# KiCad board neotron-pico.kicad_pcb
title: Neotron Pico PCB; date: ${date}; rev: ${version}; company: https://neotron-compute.github.io; note: Copyright (c) Jonathan 'theJPster' Pallant 2022; note: Licensed as CC-BY-SA
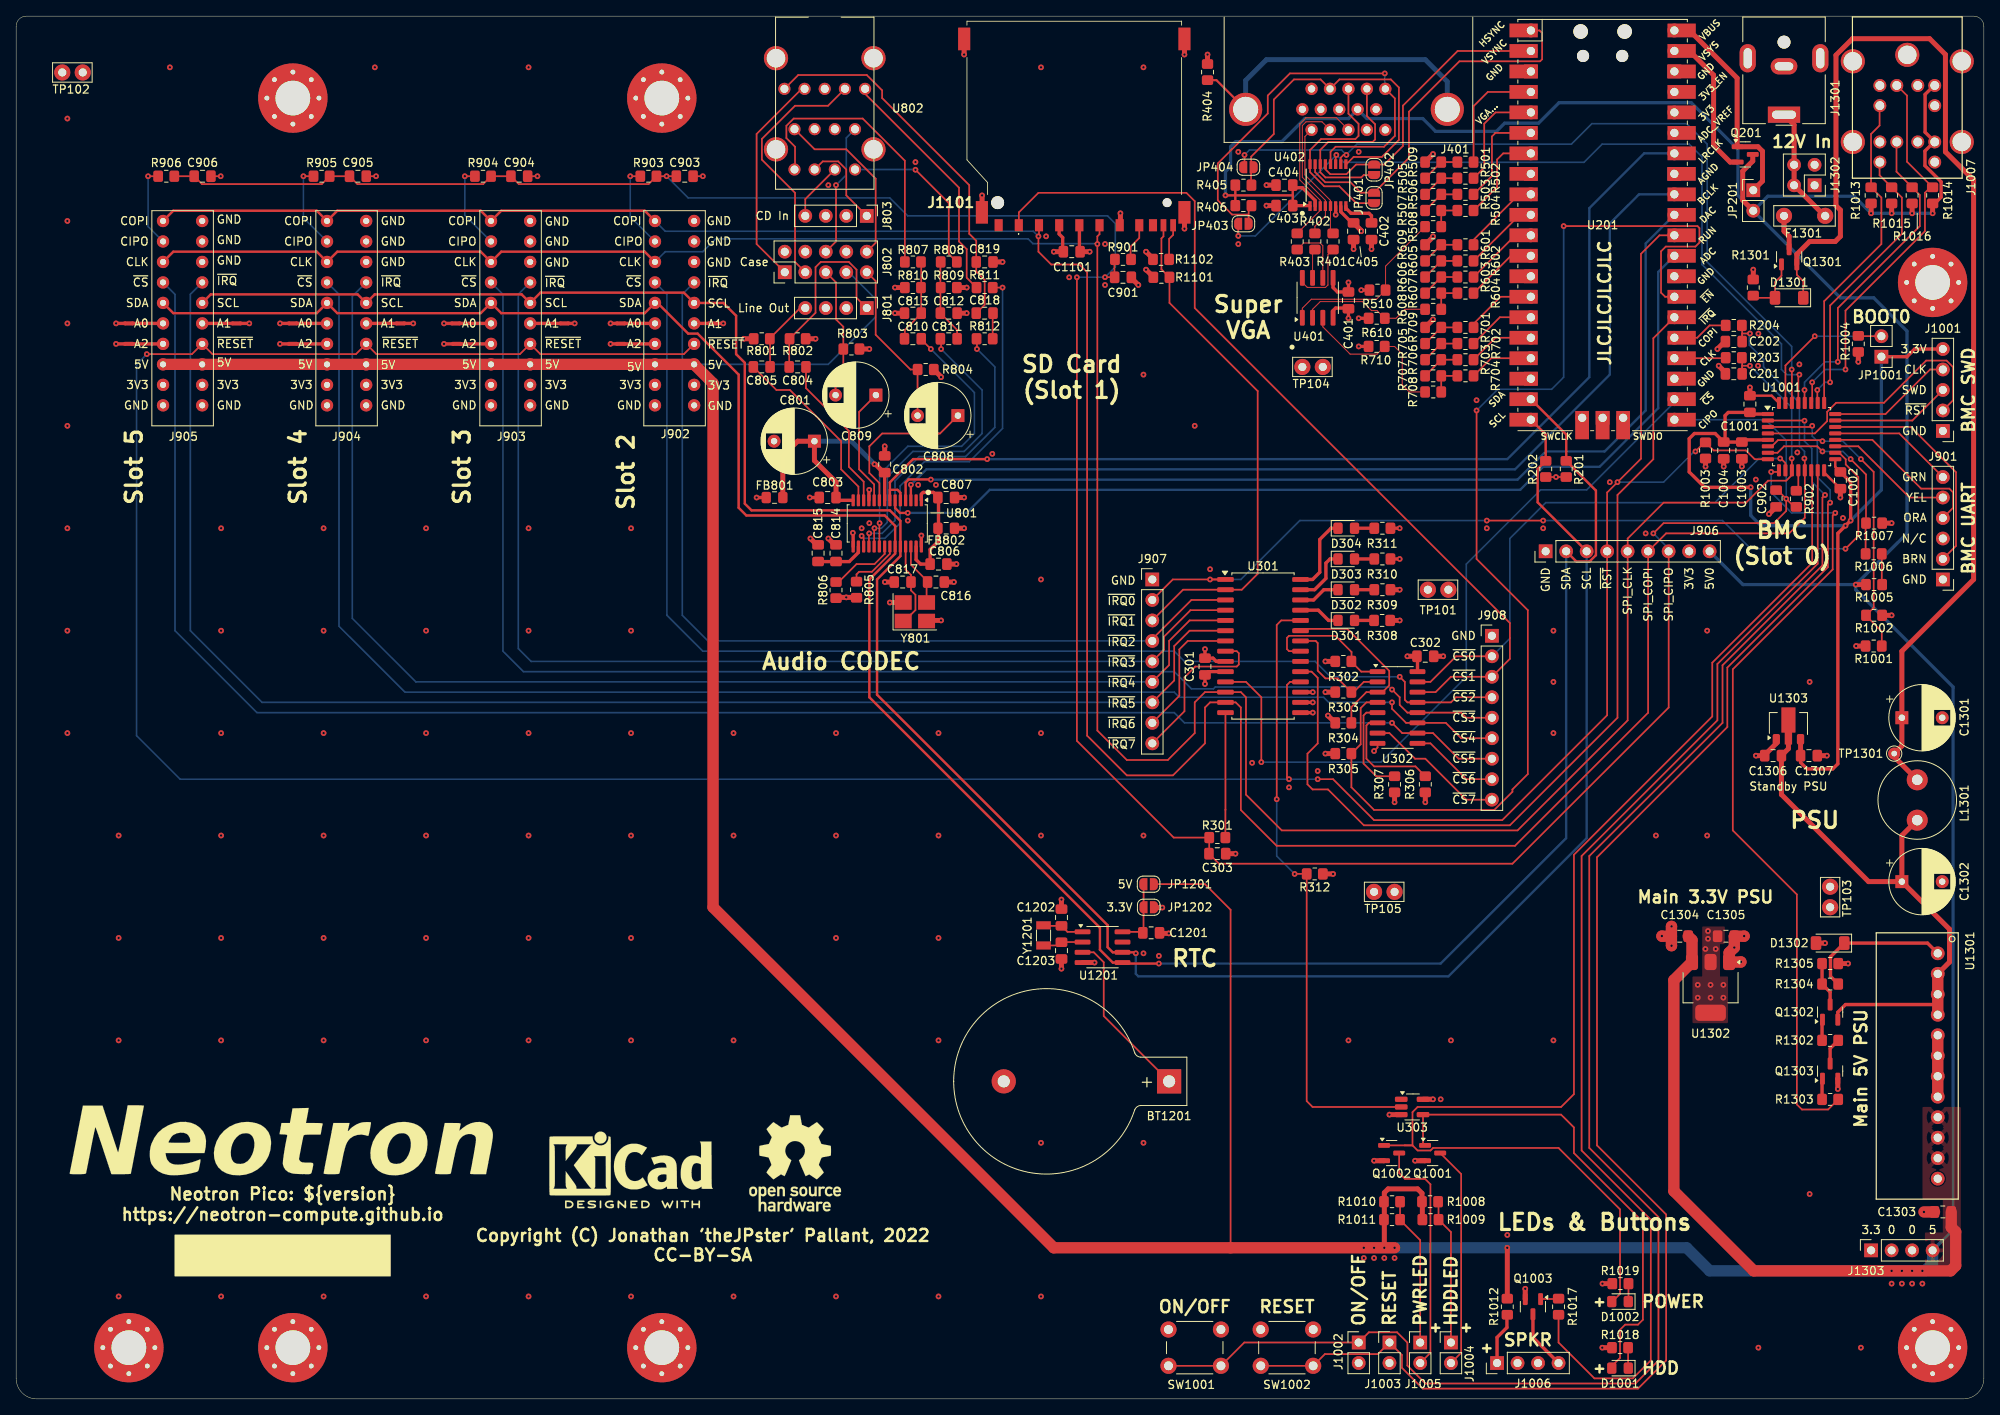
[diagram p0: board, top side]
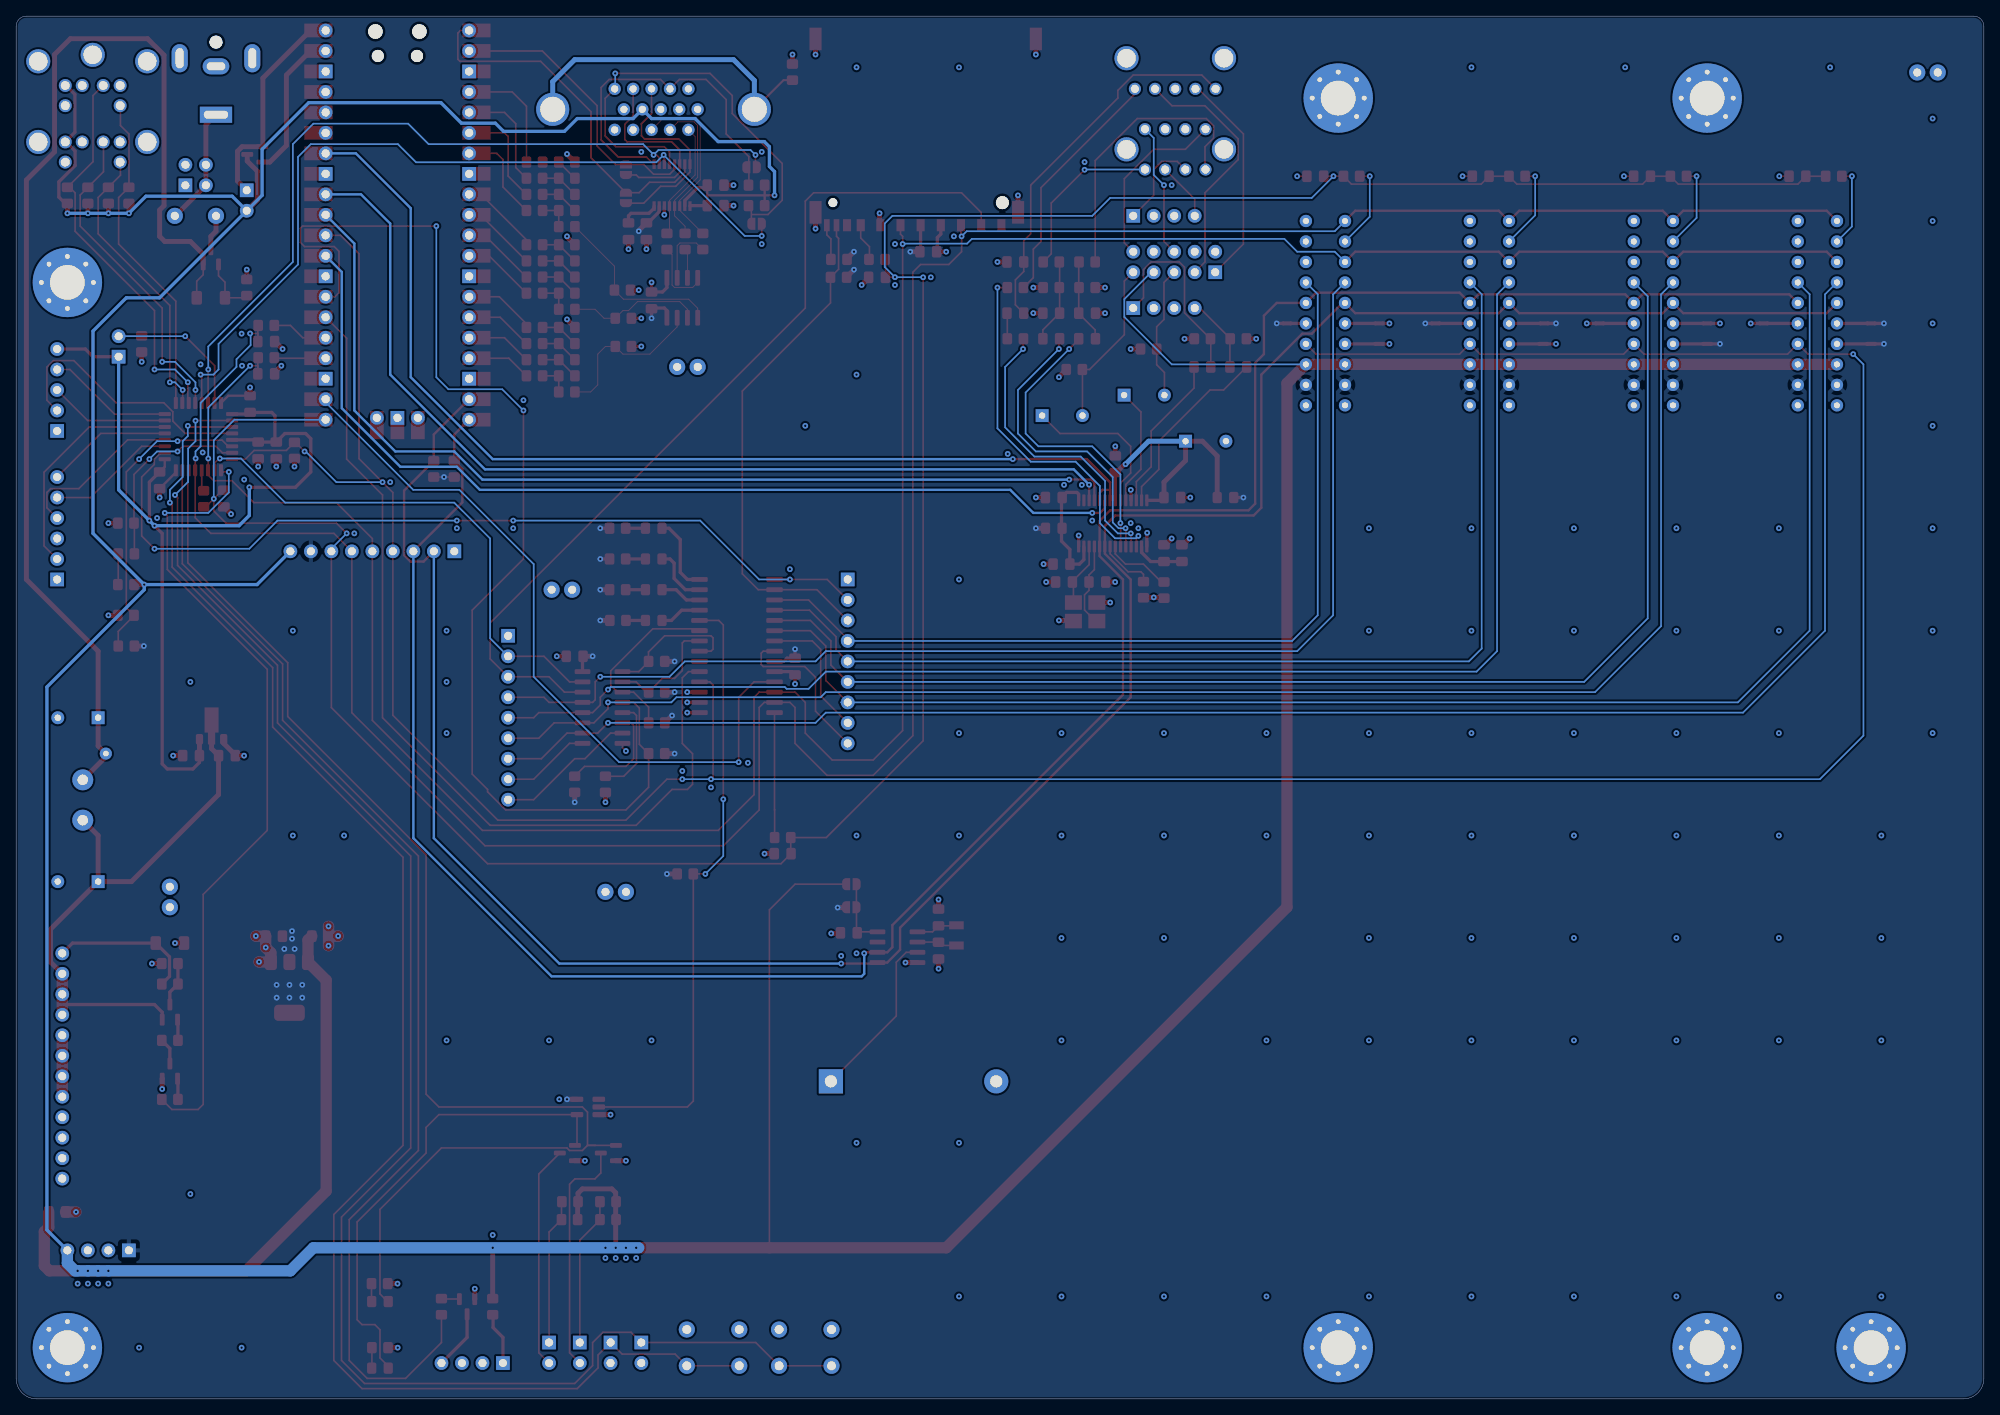
[diagram p1: board, bottom side, seen from below]

Outline 243.84 x 171.45 mm; copper layers: Top, In1.Cu (plane), In2.Cu (plane), Bottom. Coordinates in mm from the lower left corner of the outline.
Outline path: 0,170.18 0,2.54 arc(0.74,0.74) 2.54,0 241.3,0 arc(243.1,0.74) 243.84,2.54 243.84,170.18 arc(243.47,171.08) 242.57,171.45 1.27,171.45 arc(0.37,171.08) 0,170.18
Stack: Top 0.035mm / dielectric 0.2104mm FR4 er 4.6 / In1.Cu 0.0152mm / dielectric 1.065mm FR4 er 4.6 / In2.Cu 0.0152mm / dielectric 0.2104mm FR4 er 4.6 / Bottom 0.035mm

## Placement (name value [footprint] x y rotation side)
BT1201  CR2032  [BatteryHolder_Keystone_103_1x20mm]  142.88 39.37 180 top
C201  DNF  [C_0805_2012Metric_Pad1.18x1.45mm_HandSolder]  212.85 127.1 180 top
C202  DNF  [C_0805_2012Metric_Pad1.18x1.45mm_HandSolder]  212.85 131.1 180 top
C301  10u  [C_0805_2012Metric_Pad1.18x1.45mm_HandSolder]  147.32 90.8 270 top
C302  10u  [C_0805_2012Metric_Pad1.18x1.45mm_HandSolder]  174.62 92.07 0 top
C303  DNF  [C_0805_2012Metric_Pad1.18x1.45mm_HandSolder]  148.85 67.6 0 top
C401  10u  [C_0805_2012Metric_Pad1.18x1.45mm_HandSolder]  165.1 136.21 90 top
C402  220n  [C_0805_2012Metric_Pad1.18x1.45mm_HandSolder]  167.96 144.78 90 top
C403  10u  [C_0805_2012Metric_Pad1.18x1.45mm_HandSolder]  157.16 147.95 0 top
C404  10u  [C_0805_2012Metric_Pad1.18x1.45mm_HandSolder]  157.16 150.5 0 top
C405  10u  [C_0805_2012Metric_Pad1.18x1.45mm_HandSolder]  165.73 144.78 90 top
C801  100u  [CP_Radial_D8.0mm_P5.00mm]  98.92 118.74 180 top
C802  10u  [C_0805_2012Metric_Pad1.18x1.45mm_HandSolder]  107.63 115.89 90 top
C803  10u  [C_0805_2012Metric_Pad1.18x1.45mm_HandSolder]  100.56 111.76 180 top
C804  1u  [C_0805_2012Metric_Pad1.18x1.45mm_HandSolder]  96.84 127.95 180 top
C805  1u  [C_0805_2012Metric_Pad1.18x1.45mm_HandSolder]  92.39 127.95 180 top
C806  10u  [C_0805_2012Metric_Pad1.18x1.45mm_HandSolder]  114.3 103.5 0 top
C807  10u  [C_0805_2012Metric_Pad1.18x1.45mm_HandSolder]  115.25 111.76 0 top
C808  100u  [CP_Radial_D8.0mm_P5.00mm]  116.7 121.92 180 top
C809  100u  [CP_Radial_D8.0mm_P5.00mm]  106.54 124.46 180 top
C810  1u  [C_0805_2012Metric_Pad1.18x1.45mm_HandSolder]  111.12 131.44 0 top
C811  1u  [C_0805_2012Metric_Pad1.18x1.45mm_HandSolder]  115.57 131.44 180 top
C812  47p  [C_0805_2012Metric_Pad1.18x1.45mm_HandSolder]  115.57 134.62 180 top
C813  47p  [C_0805_2012Metric_Pad1.18x1.45mm_HandSolder]  111.12 134.62 0 top
C814  100n  [C_0805_2012Metric_Pad1.18x1.45mm_HandSolder]  101.6 104.86 90 top
C815  10u  [C_0805_2012Metric_Pad1.18x1.45mm_HandSolder]  99.38 104.86 90 top
C816  22p  [C_0805_2012Metric_Pad1.18x1.45mm_HandSolder]  113.98 101.28 180 top
C817  22p  [C_0805_2012Metric_Pad1.18x1.45mm_HandSolder]  109.85 101.28 180 top
C818  1u  [C_0805_2012Metric_Pad1.18x1.45mm_HandSolder]  120.01 134.62 0 top
C819  47p  [C_0805_2012Metric_Pad1.18x1.45mm_HandSolder]  120.01 140.97 180 top
C901  DNF  [C_0805_2012Metric_Pad1.18x1.45mm_HandSolder]  137.16 139.06 0 top
C902  DNF  [C_0805_2012Metric_Pad1.18x1.45mm_HandSolder]  218.1 111.64 270 top
C903  DNF  [C_0805_2012Metric_Pad1.18x1.45mm_HandSolder]  82.85 151.6 0 top
C904  DNF  [C_0805_2012Metric_Pad1.18x1.45mm_HandSolder]  62.35 151.6 0 top
C905  DNF  [C_0805_2012Metric_Pad1.18x1.45mm_HandSolder]  42.35 151.6 0 top
C906  DNF  [C_0805_2012Metric_Pad1.18x1.45mm_HandSolder]  23.1 151.6 0 top
C1001  10u  [C_0805_2012Metric_Pad1.18x1.45mm_HandSolder]  214.85 123.35 270 top
C1002  10u  [C_0805_2012Metric_Pad1.18x1.45mm_HandSolder]  226.06 113.9 90 top
C1003  10n  [C_0805_2012Metric_Pad1.18x1.45mm_HandSolder]  213.85 117.6 270 top
C1004  10u  [C_0805_2012Metric_Pad1.18x1.45mm_HandSolder]  211.6 117.6 90 top
C1101  10u  [C_0805_2012Metric_Pad1.18x1.45mm_HandSolder]  130.81 142.24 0 top
C1201  10u  [C_0805_2012Metric_Pad1.18x1.45mm_HandSolder]  140.65 57.78 180 top
C1202  DNF  [C_0805_2012Metric_Pad1.18x1.45mm_HandSolder]  129.54 59.69 90 top
C1203  DNF  [C_0805_2012Metric_Pad1.18x1.45mm_HandSolder]  129.54 55.58 270 top
C1301  100u  [CP_Radial_D8.0mm_P5.00mm]  233.68 84.45 0 top
C1302  100u  [CP_Radial_D8.0mm_P5.00mm]  233.68 64.13 0 top
C1303  22u  [C_0805_2012Metric_Pad1.18x1.45mm_HandSolder]  238.76 23.18 180 top
C1304  22u  [C_0805_2012Metric_Pad1.18x1.45mm_HandSolder]  206.16 57.37 180 top
C1305  22u  [C_0805_2012Metric_Pad1.18x1.45mm_HandSolder]  211.88 57.37 0 top
C1306  10u  [C_0805_2012Metric_Pad1.18x1.45mm_HandSolder]  217.72 79.75 0 top
C1307  10u  [C_0805_2012Metric_Pad1.18x1.45mm_HandSolder]  222.16 79.75 180 top
D301  LED  [LED_0805_2012Metric_Pad1.15x1.40mm_HandSolder]  164.83 96.52 0 top
D302  LED  [LED_0805_2012Metric_Pad1.15x1.40mm_HandSolder]  164.83 100.33 0 top
D303  LED  [LED_0805_2012Metric_Pad1.15x1.40mm_HandSolder]  164.83 104.14 0 top
D304  LED  [LED_0805_2012Metric_Pad1.15x1.40mm_HandSolder]  164.83 107.95 0 top
D1001  LED  [LED_0805_2012Metric_Pad1.15x1.40mm_HandSolder]  198.75 3.81 180 top
D1002  LED  [LED_0805_2012Metric_Pad1.15x1.40mm_HandSolder]  198.75 12.06 180 top
D1301  ZMM5V6  [D_MiniMELF]  219.71 136.52 180 top
D1302  ZMM5V6  [D_MiniMELF]  224.79 56.51 180 top
F1301  32V 2A PTC  [Bel Fuse 0ZRS0200FF]  219.07 146.69 0 top
FB801  330R@100MHz  [L_0805_2012Metric_Pad1.15x1.40mm_HandSolder]  93.98 111.76 180 top
FB802  330R@100MHz  [L_0805_2012Metric_Pad1.15x1.40mm_HandSolder]  115.25 107.95 0 top
H101  MountingHole_Pad  [MountingHole_4.3mm_M4_Pad_Via]  34.29 161.29 0 top
H102  MountingHole_Pad  [MountingHole_4.3mm_M4_Pad_Via]  80.01 161.29 0 top
H103  MountingHole_Pad  [MountingHole_4.3mm_M4_Pad_Via]  237.49 138.43 0 top
H104  MountingHole_Pad  [MountingHole_4.3mm_M4_Pad_Via]  13.97 6.35 0 top
H105  MountingHole_Pad  [MountingHole_4.3mm_M4_Pad_Via]  34.29 6.35 0 top
H106  MountingHole_Pad  [MountingHole_4.3mm_M4_Pad_Via]  80.01 6.35 0 top
H107  MountingHole_Pad  [MountingHole_4.3mm_M4_Pad_Via]  237.49 6.35 0 top
J401  DE15HD  [Amphenol_ICD15S13E4GV00LF]  165.1 159.89 0 top
J801  Conn_01x04  [PinHeader_1x04_P2.54mm_Vertical]  105.41 135.25 270 top
J802  Conn_02x05  [PinHeader_2x05_P2.54mm_Vertical]  95.25 139.7 90 top
J803  Conn_01x04  [PinHeader_1x04_P2.54mm_Vertical]  105.41 146.69 270 top
J901  Conn_01x06  [PinHeader_1x06_P2.54mm_Vertical]  238.76 101.6 180 top
J902  -  [Neotron-Expansion-Slot]  81.59 146.05 0 top
J903  -  [Neotron-Expansion-Slot]  61.27 146.05 0 top
J904  -  [Neotron-Expansion-Slot]  40.95 146.05 0 top
J905  -  [Neotron-Expansion-Slot]  20.63 146.05 0 top
J906  Conn_01x09  [PinHeader_1x09_P2.54mm_Vertical]  189.54 105.09 90 top
J907  Conn_01x09  [PinHeader_1x09_P2.54mm_Vertical]  140.79 101.6 0 top
J908  Conn_01x09  [PinHeader_1x09_P2.54mm_Vertical]  182.88 94.61 0 top
J1001  Conn_01x05  [PinHeader_1x05_P2.54mm_Vertical]  238.76 120.02 180 top
J1002  Conn_01x02  [PinHeader_1x02_P2.54mm_Vertical]  166.37 6.99 0 top
J1003  Conn_01x02  [PinHeader_1x02_P2.54mm_Vertical]  170.18 6.99 0 top
J1004  Conn_01x02  [PinHeader_1x02_P2.54mm_Vertical]  177.8 6.98 0 top
J1005  Conn_01x02  [PinHeader_1x02_P2.54mm_Vertical]  173.99 6.98 0 top
J1006  Conn_01x04  [PinHeader_1x04_P2.54mm_Vertical]  183.51 4.44 90 top
J1007  Double-mini-DIN-6  [Double_mini-DIN_6]  234.35 160.35 0 top
J1101  SD_Card  [Amphenol_GSD090012SEU]  131.13 157.8 180 top
J1301  Jack 2.1mm 6.3mm  [BarrelJack_CUI_PJ-063AH_Horizontal]  219.07 159.23 180 top
J1302  Conn_02x02S  [PinSocket_2x02_P2.54mm_Vertical]  222.86 150.47 270 top
J1303  Conn_01x04S  [PinSocket_1x04_P2.54mm_Vertical]  229.87 18.41 90 top
JP201  Jumper  [PinHeader_1x02_P2.54mm_Vertical]  215.26 149.86 0 top
JP401  Bridge  [SolderJumper-2_P1.3mm_Open_RoundedPad1.0x1.5mm]  168.28 148.91 270 top
JP402  Bridge  [SolderJumper-2_P1.3mm_Open_RoundedPad1.0x1.5mm]  168.28 152.4 270 top
JP403  Bridge  [SolderJumper-2_P1.3mm_Open_RoundedPad1.0x1.5mm]  152.08 145.7 0 top
JP404  Bridge  [SolderJumper-2_P1.3mm_Open_RoundedPad1.0x1.5mm]  152.7 152.72 0 top
JP1001  Jumper  [PinHeader_1x02_P2.54mm_Vertical]  231.14 129.22 180 top
JP1201  Bridge  [SolderJumper-2_P1.3mm_Open_RoundedPad1.0x1.5mm]  140.34 63.82 0 top
JP1202  Bridge  [SolderJumper-2_P1.3mm_Open_RoundedPad1.0x1.5mm]  140.35 60.96 0 top
L1301  22uH  [L_Radial_D9.5mm_P5.00mm_Fastron_07HVP]  235.59 76.75 270 top
LOGO101  Neotron Logo  [logo]  33.02 31.75 0 top
LOGO102  Kicad Logo  [KiCad-Logo2_8mm_SilkScreen]  76.2 29.21 0 top
LOGO103  OSHW Logo  [OSHW-Logo_11.4x12mm_SilkScreen]  96.52 29.21 0 top
NT901  NetTie_2  [NetTie-2_SMD_Pad0.5mm]  74.93 133.35 180 top
NT902  NetTie_2  [NetTie-2_SMD_Pad0.5mm]  54.48 133.35 180 top
NT903  NetTie_2  [NetTie-2_SMD_Pad0.5mm]  34.29 133.35 180 top
NT904  NetTie_2  [NetTie-2_SMD_Pad0.5mm]  13.97 133.35 180 top
NT905  NetTie_2  [NetTie-2_SMD_Pad0.5mm]  86.36 133.35 0 top
NT906  NetTie_2  [NetTie-2_SMD_Pad0.5mm]  67.94 133.35 0 top
NT907  NetTie_2  [NetTie-2_SMD_Pad0.5mm]  47.63 133.35 0 top
NT908  NetTie_2  [NetTie-2_SMD_Pad0.5mm]  27.3 133.35 0 top
NT909  NetTie_2  [NetTie-2_SMD_Pad0.5mm]  74.93 130.81 180 top
NT910  NetTie_2  [NetTie-2_SMD_Pad0.5mm]  54.61 130.81 180 top
NT911  NetTie_2  [NetTie-2_SMD_Pad0.5mm]  34.29 130.81 180 top
NT912  NetTie_2  [NetTie-2_SMD_Pad0.5mm]  13.97 130.81 180 top
Q201  DMG2305UX  [SOT-23]  214.26 154.31 0 top
Q1001  2N7002  [SOT-23]  175.53 30.48 0 top
Q1002  2N7002  [SOT-23]  170.45 30.48 0 top
Q1003  SS8050  [SOT-23]  187.96 11.43 270 top
Q1301  AO3401A  [SOT-23]  219.71 141.6 90 top
Q1302  SS8550  [SOT-23]  224.79 47.96 90 top
Q1303  SS8050  [SOT-23]  224.79 40.64 90 top
R201  2k  [R_0805_2012Metric_Pad1.20x1.40mm_HandSolder]  192.09 115.3 270 top
R202  2k  [R_0805_2012Metric_Pad1.20x1.40mm_HandSolder]  189.55 115.3 270 top
R203  0R  [R_0805_2012Metric_Pad1.20x1.40mm_HandSolder]  212.85 129.1 0 top
R204  0R  [R_0805_2012Metric_Pad1.20x1.40mm_HandSolder]  212.85 133.1 0 top
R301  0R  [R_0805_2012Metric_Pad1.20x1.40mm_HandSolder]  148.85 69.6 180 top
R302  10k  [R_0805_2012Metric_Pad1.20x1.40mm_HandSolder]  164.47 91.44 0 top
R303  10k  [R_0805_2012Metric_Pad1.20x1.40mm_HandSolder]  164.47 87.63 0 top
R304  10k  [R_0805_2012Metric_Pad1.20x1.40mm_HandSolder]  164.47 83.82 0 top
R305  10k  [R_0805_2012Metric_Pad1.20x1.40mm_HandSolder]  164.47 80.01 0 top
R306  10k  [R_0805_2012Metric_Pad1.20x1.40mm_HandSolder]  174.62 76.2 90 top
R307  10k  [R_0805_2012Metric_Pad1.20x1.40mm_HandSolder]  170.81 76.2 270 top
R308  1k  [R_0805_2012Metric_Pad1.20x1.40mm_HandSolder]  169.28 96.52 180 top
R309  1k  [R_0805_2012Metric_Pad1.20x1.40mm_HandSolder]  169.31 100.33 180 top
R310  1k  [R_0805_2012Metric_Pad1.20x1.40mm_HandSolder]  169.31 104.14 180 top
R311  1k  [R_0805_2012Metric_Pad1.20x1.40mm_HandSolder]  169.31 107.95 180 top
R312  10k  [R_0805_2012Metric_Pad1.20x1.40mm_HandSolder]  160.92 65.09 180 top
R401  75  [R_0805_2012Metric_Pad1.20x1.40mm_HandSolder]  163.19 143.51 270 top
R402  75  [R_0805_2012Metric_Pad1.20x1.40mm_HandSolder]  160.94 143.51 270 top
R403  75  [R_0805_2012Metric_Pad1.20x1.40mm_HandSolder]  158.75 143.51 270 top
R404  DNF  [R_0805_2012Metric_Pad1.20x1.40mm_HandSolder]  147.64 164.51 270 top
R405  2k  [R_0805_2012Metric_Pad1.20x1.40mm_HandSolder]  152.08 150.5 0 top
R406  2k  [R_0805_2012Metric_Pad1.20x1.40mm_HandSolder]  152.08 147.95 0 top
R501  2k  [R_0805_2012Metric_Pad1.20x1.40mm_HandSolder]  179.6 153.35 180 top
R502  2k  [R_0805_2012Metric_Pad1.20x1.40mm_HandSolder]  179.6 151.35 180 top
R503  2k  [R_0805_2012Metric_Pad1.20x1.40mm_HandSolder]  179.6 149.35 180 top
R504  2k  [R_0805_2012Metric_Pad1.20x1.40mm_HandSolder]  179.6 147.35 180 top
R505  1k  [R_0805_2012Metric_Pad1.20x1.40mm_HandSolder]  175.6 151.35 180 top
R506  1k  [R_0805_2012Metric_Pad1.20x1.40mm_HandSolder]  175.6 149.35 180 top
R507  1k  [R_0805_2012Metric_Pad1.20x1.40mm_HandSolder]  175.6 147.35 180 top
R508  1k  [R_0805_2012Metric_Pad1.20x1.40mm_HandSolder]  175.6 145.35 0 top
R509  2k  [R_0805_2012Metric_Pad1.20x1.40mm_HandSolder]  175.6 153.35 180 top
R510  560  [R_0805_2012Metric_Pad1.20x1.40mm_HandSolder]  168.7 137.48 180 top
R601  2k  [R_0805_2012Metric_Pad1.20x1.40mm_HandSolder]  179.6 143.1 180 top
R602  2k  [R_0805_2012Metric_Pad1.20x1.40mm_HandSolder]  179.6 141.1 180 top
R603  2k  [R_0805_2012Metric_Pad1.20x1.40mm_HandSolder]  179.6 139.1 180 top
R604  2k  [R_0805_2012Metric_Pad1.20x1.40mm_HandSolder]  179.6 137.1 180 top
R605  1k  [R_0805_2012Metric_Pad1.20x1.40mm_HandSolder]  175.6 141.1 180 top
R606  1k  [R_0805_2012Metric_Pad1.20x1.40mm_HandSolder]  175.6 139.1 180 top
R607  1k  [R_0805_2012Metric_Pad1.20x1.40mm_HandSolder]  175.6 137.1 180 top
R608  1k  [R_0805_2012Metric_Pad1.20x1.40mm_HandSolder]  175.6 135.1 0 top
R609  2k  [R_0805_2012Metric_Pad1.20x1.40mm_HandSolder]  175.6 143.1 180 top
R610  560  [R_0805_2012Metric_Pad1.20x1.40mm_HandSolder]  168.6 133.98 180 top
R701  2k  [R_0805_2012Metric_Pad1.20x1.40mm_HandSolder]  179.6 132.85 180 top
R702  2k  [R_0805_2012Metric_Pad1.20x1.40mm_HandSolder]  179.6 130.85 180 top
R703  2k  [R_0805_2012Metric_Pad1.20x1.40mm_HandSolder]  179.6 128.85 180 top
R704  2k  [R_0805_2012Metric_Pad1.20x1.40mm_HandSolder]  179.6 126.85 180 top
R705  1k  [R_0805_2012Metric_Pad1.20x1.40mm_HandSolder]  175.6 130.85 180 top
R706  1k  [R_0805_2012Metric_Pad1.20x1.40mm_HandSolder]  175.6 128.85 180 top
R707  1k  [R_0805_2012Metric_Pad1.20x1.40mm_HandSolder]  175.6 126.85 180 top
R708  1k  [R_0805_2012Metric_Pad1.20x1.40mm_HandSolder]  175.6 124.85 0 top
R709  2k  [R_0805_2012Metric_Pad1.20x1.40mm_HandSolder]  175.6 132.85 180 top
R710  560  [R_0805_2012Metric_Pad1.20x1.40mm_HandSolder]  168.59 130.49 180 top
R801  100k  [R_0805_2012Metric_Pad1.20x1.40mm_HandSolder]  92.39 131.44 180 top
R802  100k  [R_0805_2012Metric_Pad1.20x1.40mm_HandSolder]  96.84 131.44 180 top
R803  100k  [R_0805_2012Metric_Pad1.20x1.40mm_HandSolder]  103.5 130.18 0 top
R804  100k  [R_0805_2012Metric_Pad1.20x1.40mm_HandSolder]  112.71 127.63 180 top
R805  0R  [R_0805_2012Metric_Pad1.20x1.40mm_HandSolder]  104.14 100.33 90 top
R806  0R  [R_0805_2012Metric_Pad1.20x1.40mm_HandSolder]  101.6 100.28 90 top
R807  4k7  [R_0805_2012Metric_Pad1.20x1.40mm_HandSolder]  111.12 140.97 0 top
R808  4k7  [R_0805_2012Metric_Pad1.20x1.40mm_HandSolder]  115.57 140.97 180 top
R809  4k7  [R_0805_2012Metric_Pad1.20x1.40mm_HandSolder]  115.57 137.79 0 top
R810  4k7  [R_0805_2012Metric_Pad1.20x1.40mm_HandSolder]  111.12 137.79 0 top
R811  2k  [R_0805_2012Metric_Pad1.20x1.40mm_HandSolder]  120.01 137.79 0 top
R812  0R  [R_0805_2012Metric_Pad1.20x1.40mm_HandSolder]  120.01 131.44 0 top
R901  0R  [R_0805_2012Metric_Pad1.20x1.40mm_HandSolder]  137.16 141.29 180 top
R902  0R  [R_0805_2012Metric_Pad1.20x1.40mm_HandSolder]  220.6 111.6 270 top
R903  0R  [R_0805_2012Metric_Pad1.20x1.40mm_HandSolder]  78.35 151.6 0 top
R904  0R  [R_0805_2012Metric_Pad1.20x1.40mm_HandSolder]  57.85 151.6 0 top
R905  0R  [R_0805_2012Metric_Pad1.20x1.40mm_HandSolder]  37.85 151.6 0 top
R906  0R  [R_0805_2012Metric_Pad1.20x1.40mm_HandSolder]  18.6 151.6 0 top
R1001  10k  [R_0805_2012Metric_Pad1.20x1.40mm_HandSolder]  230.19 93.34 0 top
R1002  10k  [R_0805_2012Metric_Pad1.20x1.40mm_HandSolder]  230.23 97.16 0 top
R1003  10k  [R_0805_2012Metric_Pad1.20x1.40mm_HandSolder]  209.35 117.6 270 top
R1004  10k  [R_0805_2012Metric_Pad1.20x1.40mm_HandSolder]  228.28 130.81 270 top
R1005  10k  [R_0805_2012Metric_Pad1.20x1.40mm_HandSolder]  230.23 100.96 0 top
R1006  10k  [R_0805_2012Metric_Pad1.20x1.40mm_HandSolder]  230.19 104.77 180 top
R1007  10k  [R_0805_2012Metric_Pad1.20x1.40mm_HandSolder]  230.23 108.58 0 top
R1008  300  [R_0805_2012Metric_Pad1.20x1.40mm_HandSolder]  175.21 24.45 0 top
R1009  300  [R_0805_2012Metric_Pad1.20x1.40mm_HandSolder]  175.26 22.22 0 top
R1010  300  [R_0805_2012Metric_Pad1.20x1.40mm_HandSolder]  170.5 24.45 0 top
R1011  300  [R_0805_2012Metric_Pad1.20x1.40mm_HandSolder]  170.5 22.22 0 top
R1012  33R  [R_0805_2012Metric_Pad1.20x1.40mm_HandSolder]  184.78 11.43 90 top
R1013  1k  [R_0805_2012Metric_Pad1.20x1.40mm_HandSolder]  229.87 149.22 90 top
R1014  1k  [R_0805_2012Metric_Pad1.20x1.40mm_HandSolder]  237.49 149.22 90 top
R1015  1k  [R_0805_2012Metric_Pad1.20x1.40mm_HandSolder]  232.41 149.22 90 top
R1016  1k  [R_0805_2012Metric_Pad1.20x1.40mm_HandSolder]  234.95 149.22 90 top
R1017  1k  [R_0805_2012Metric_Pad1.20x1.40mm_HandSolder]  191.13 11.43 90 top
R1018  1k  [R_0805_2012Metric_Pad1.20x1.40mm_HandSolder]  198.75 6.35 180 top
R1019  1k  [R_0805_2012Metric_Pad1.20x1.40mm_HandSolder]  198.8 14.29 180 top
R1101  10k  [R_0805_2012Metric_Pad1.20x1.40mm_HandSolder]  141.92 139.06 180 top
R1102  10k  [R_0805_2012Metric_Pad1.20x1.40mm_HandSolder]  141.88 141.29 0 top
R1301  10k  [R_0805_2012Metric_Pad1.20x1.40mm_HandSolder]  215.26 137.79 90 top
R1302  10k  [R_0805_2012Metric_Pad1.20x1.40mm_HandSolder]  224.79 44.45 0 top
R1303  10k  [R_0805_2012Metric_Pad1.20x1.40mm_HandSolder]  224.79 37.13 0 top
R1304  1k  [R_0805_2012Metric_Pad1.20x1.40mm_HandSolder]  224.79 51.44 180 top
R1305  10k  [R_0805_2012Metric_Pad1.20x1.40mm_HandSolder]  224.79 53.97 0 top
SW1001  SW_Push  [SW_PUSH_6mm]  142.8 8.6 0 top
SW1002  SW_Push  [SW_PUSH_6mm]  154.23 8.6 0 top
TP101  TestPoint  [TestPoint_Bridge_Pitch2.54mm_Drill1.0mm]  174.94 100.33 0 top
TP102  TestPoint  [TestPoint_Bridge_Pitch2.54mm_Drill1.0mm]  5.71 164.47 0 top
TP103  TestPoint  [TestPoint_Bridge_Pitch2.54mm_Drill1.0mm]  224.79 60.96 90 top
TP104  TestPoint  [TestPoint_Bridge_Pitch2.54mm_Drill1.0mm]  159.38 127.95 0 top
TP105  TestPoint  [TestPoint_Bridge_Pitch2.54mm_Drill1.0mm]  168.28 62.86 0 top
TP1301  PTH  [TestPoint_THTPad_D1.5mm_Drill0.7mm]  232.73 80.01 180 top
U201  Pico  [RPi_Pico_SMD_TH]  196.6 145.54 0 top
U301  MCP23S17_SO  [SOIC-28W_7.5x17.9mm_P1.27mm]  154.51 93.34 0 top
U302  74HC138  [SOIC-16_3.9x9.9mm_P1.27mm]  171.18 85.72 0 top
U303  74AHC1G04  [SOT-23-5_HandSoldering]  172.99 36.19 0 top
U401  THS7316  [SOIC-8_3.9x4.9mm_P1.27mm]  161.29 136.52 90 top
U402  TPD7S019  [SSOP-16_3.9x4.9mm_P0.635mm]  162.56 150.5 90 top
U801  TLV320AIC23BPW  [TSSOP-28_4.4x9.7mm_P0.65mm]  107.95 108.55 270 top
U802  -  [STX-4335-5BGP-S1]  100.2 162.43 180 top
U1001  STM32F030K6T6  [LQFP-32_7x7mm_P0.8mm]  221.25 119.31 0 top
U1201  DS1307Z+  [SOIC-8_3.9x4.9mm_P1.27mm]  134.62 56 0 top
U1301  DC-DC Module  [K78xx-3AR3]  238.12 42.54 270 top
U1302  AMS1117-3.3  [SOT-223-3_TabPin2]  209.97 51.02 270 top
U1303  HT75xx-1-SOT89  [SOT-89-3]  219.62 83.74 90 top
Y801  12M 20pF  [Crystal_SMD_3225-4Pin_3.2x2.5mm_HandSoldering]  111.37 97.59 0 top
Y1201  32,768 Hz  [Crystal_SMD_3215-2Pin_3.2x1.5mm]  127.31 57.47 90 top
